# Allegro board NewTMR-March-2-2026.brd (continued)
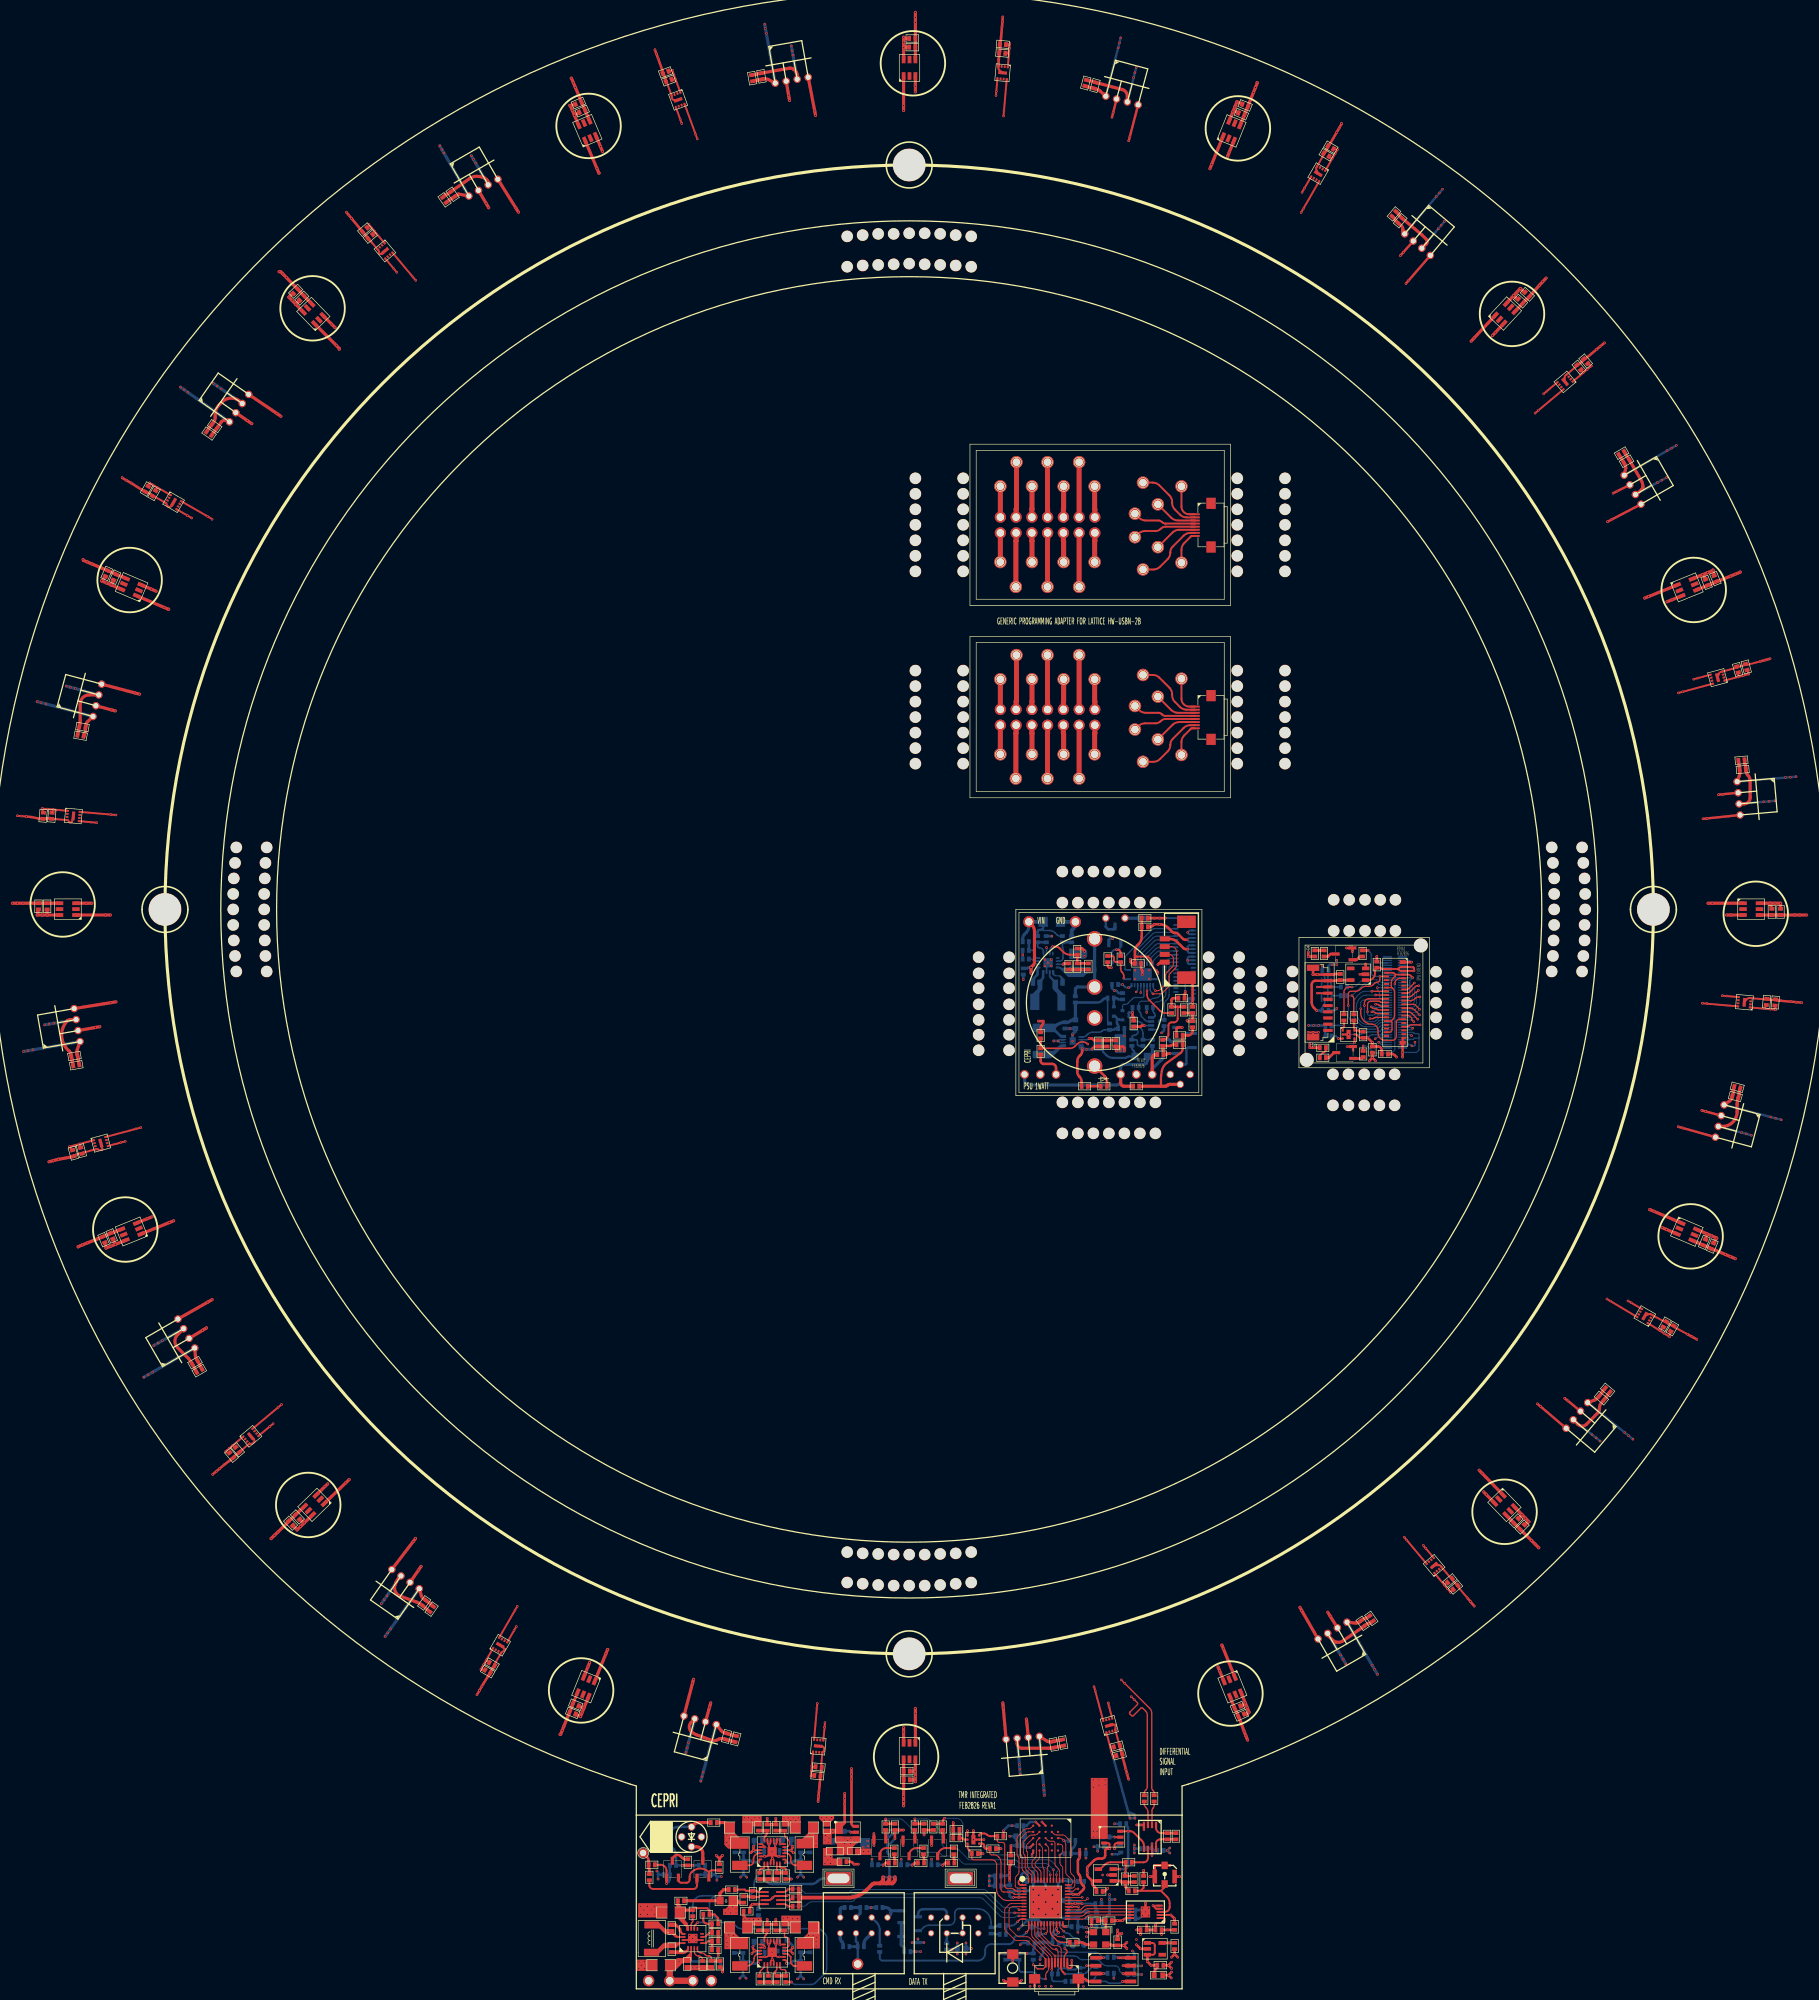
[diagram p0: board, top side]
## Routing (per net, layer and track width the routed paths; a pad name or vN(x,y) marks a point on that pad's centre or on a via; arc(x,y) is an arc through that point) (continued)
N3503239: length 5.2
  BOTTOM w0.25: U65.1 176.91,153.43 arc(177.06,153.4) 177.18,153.32 177.2,153.3 arc(177.3,153.05) 177.2,152.8 177.02,152.62 arc(176.89,152.53) 176.73,152.5 176.63,152.5 arc(176.52,152.48) 176.42,152.41 176.39,152.38 arc(176.32,152.28) 176.3,152.17 R95.1 176.88,151.8 arc(176.99,151.78) 177.08,151.72 177.12,151.68 arc(177.18,151.59) 177.2,151.48 177.2,151.12 arc(177.22,151.01) 177.28,150.92 177.32,150.88 arc(177.41,150.82) 177.52,150.8 C191.2
N3503246: length 4.7
  BOTTOM w0.25: R112.1 C191.1 178.1,152.78 arc(178,153.26) 177.73,153.67 177.55,153.85 arc(177.29,154.02) 176.99,154.08 U65.2
N3506922: length 15.9
  TOP w0.3: v1(180.5,162.5) 180.5,162.7 179.8,163.4 arc(179.58,163.73) 179.5,164.12 179.5,164.21 arc(179.43,164.57) 179.22,164.88 178.9,165.2 177,165.2 176.8,165.4
  TOP w0.4: R131.1 R130.1 177.9,168.44 arc(177.76,167.76) 177.38,167.18 177.2,167 arc(176.9,166.56) 176.8,166.04 C196.1 176.31,164.1 176.1,164.31 v1(176.1,164.8)
  BOTTOM w0.18: v1(176.1,164.8) 176.18,164.72 arc(176.23,164.64) 176.25,164.56 U66.2
  BOTTOM w0.3: U66.10 180.5,162.71 v1(180.5,162.5)
N3509536: length 19
  TOP w0.35: R119.1 184.5,150.37 arc(184.4,149.96) 184.13,149.64 181.95,148.06 arc(181.41,147.48) 181.13,146.73 181.02,146.04 arc(181.01,145.9) 181,145.76 181,144.3
  TOP w0.4: R119.1 R118.1 185.4,152.5 arc(185.89,152.71) 186.1,153.2 R117.1
  TOP w0.5: R116.2 181.73,144.3 arc(181.89,144.33) 182.02,144.42 182.08,144.48 arc(182.21,144.57) 182.37,144.6 LD2.1
N3509646: length 4.6
  BOTTOM w0.38: LD2.2 184.97,147.8 185.1,147.93 185.1,150.3 185.32,150.52 Q9.3
N3509654: length 4.7
  TOP w0.4: R121.2 R124.1 R117.2 185.26,154.8 v1(185.2,154.86)
  BOTTOM w0.38: Q8.1 185.34,154.72 v1(185.2,154.86)
N3509658: length 3
  TOP w0.4: R118.2 183.5,153.49 arc(183.52,153.59) 183.57,153.67 183.61,153.71 arc(183.69,153.77) 183.79,153.79 v1(184.42,153.79)
  BOTTOM w0.38: Q8.3 v1(184.42,153.79)
N3509670: length 5.8
  TOP w0.4: R119.2 182.92,151 arc(182.81,150.98) 182.72,150.92 182.68,150.88 arc(182.59,150.82) 182.48,150.8 R122.1 181.3,150.31 181.4,150.21 R125.1 181.91,149.4 182.08,149.58 v1(182.47,149.58)
  BOTTOM w0.3: Q9.1 v1(182.47,149.58)
N3509830: length 5.9
  BOTTOM w0.5: Q8.2 185.34,152.81 185.33,152.8 185.1,152.8 184.8,152.5 184.8,152.03 arc(184.64,151.65) 184.26,151.49 Q9.2 183.43,151.5 182.61,151.5 182.31,151.8 R126.1
N3510191: length 2.3
  BOTTOM w0.5: TP15.1 R127.1
N3510243: length 3.3
  BOTTOM w0.4: TP16.1 172.1,170 172.5,169.6 173.25,169.6 173.59,169.94 Q10.3
N3512300: length 11.2
  TOP w0.3: 183.7,157.1 183.7,155.2 arc(183.52,154.78) 183.1,154.6 182.7,154.6 arc(182.35,154.45) 182.2,154.1 182.2,152.7 arc(181.94,152.06) R122.2
  TOP w0.4: R121.1 R120.2 182.7,158.2 arc(182.79,158.41) 183,158.5 R123.2
N3515615: length 4.4
  TOP w0.3: R128.1 174.5,165.82 arc(174.47,165.99) 174.37,166.13 174.32,166.18 arc(174.19,166.27) 174.04,166.3 v1(173.81,166.3)
  BOTTOM w0.3: R129.1 173,165.59 arc(173.21,166.09) 173.71,166.3 v1(173.81,166.3) arc(174.32,166.51) 174.52,167.01 Q10.1
N3521974: length 4
  TOP w0.2: R1.2 178.3,28.63 arc(178.36,28.33) 178.53,28.07 178.61,27.99 arc(178.83,27.67) 178.9,27.29 U51.3
N3522018: length 3.9
  TOP w0.2: R2.2 179.9,28.33 arc(179.86,28.12) 179.74,27.94 179.71,27.91 arc(179.59,27.73) 179.55,27.52 179.55,25.22
N3522194: length 4.2
  TOP w0.3: R15.2 181.05,23.9 arc(180.45,24.15) 180.2,24.75 U51.1
  TOP w0.4: R16.2 R15.2
N3522206: length 4.5
  TOP w0.3: R15.1 180.87,22.9 arc(180.4,22.7) 180.2,22.23 U51.8
  TOP w0.4: R15.1 R16.1
N3524759: length 1.8
  TOP w0.3: U50.5 v1(173.55,23.25)
  BOTTOM w0.4: C130.1 173.5,23.3 v1(173.55,23.25)
N3527418: length 8.5
  TOP w0.3: C105.1 R31.2 175.2,17.58 175.3,17.68 R23.1 172.92,19.2 arc(172.35,19.09) 171.86,18.76 171.2,18.1 U55.4
N3527435: length 5.1
  TOP w0.127: 175.3,16 R31.1
  TOP w0.42: R31.1 174.61,16 174.41,16.2 U55.1 ; R34.1 175.8,14.7 175.3,15.2 175.3,16 C105.2
N3527532: length 4.5
  TOP w0.3: U51.6 178.9,19.9 arc(178.7,19.41) 178.2,19.2 R23.2
N3530743: length 12.3
  TOP w0.3: 181,14.6 177.7,14.6 ; 181,14.6 181.44,15.04 arc(181.56,15.22) 181.6,15.42 J1.1 ; 181,14.6 181.96,13.64 arc(182.29,13.15) 182.4,12.58 182.4,11.98 arc(182.18,11.43) 181.63,11.21 U58.3 ; 177.7,14.6 178.2,15.1 C106.2 ; 177.7,14.6 R34.2
N3546634: length 1.9
  TOP w0.4: U49.5 v1(130.97,24.05)
  BOTTOM w0.4: v1(130.97,24.05) 130.82,24.2 C128.1
N3564575: length 3.4
  BOTTOM w0.5: D4.3 132.5,10.98 L8.2 C162.2
N3565945: length 6.4
  BOTTOM w0.4: D4.6 131.82,6.47 132.1,6.19 R77.2 ; TP12.1 R77.2 ; R77.2 131.61,5.6 131.6,5.61 C178.2
N3566834: length 5
  BOTTOM w0.35: R80.1 135.65,8.29 arc(135.52,8.95) 135.14,9.52 D4.2
N3567309: length 1.4
  BOTTOM w0.4: C166.2 154.29,7.6 154.19,7.7 R70.1
N3567360: length 17.6
  BOTTOM w0.25: R70.2 153.6,9.51 arc(152.95,11.07) 151.38,11.72 148.47,11.72 arc(147.96,11.51) 147.75,11 147.75,9.98 arc(147.48,9.32) 146.82,9.05 143.59,9.05 arc(143.11,8.95) 142.71,8.68 142.31,8.29 arc(142.18,8.2) 142.03,8.17 Q6.1
  BOTTOM w0.4: R69.2 154.66,9 arc(154.5,8.97) 154.37,8.88 154.31,8.82 arc(154.18,8.73) 154.02,8.7 R70.2
N3576651: length 5
  TOP w0.3: R33.1 113.9,14.8 114.1,14.6 C108.2 115.79,14.6 115.99,14.4 U56.1
N3576675: length 3.5
  TOP w0.3: R36.1 114.51,13.7 114.61,13.6 C108.1 116.11,13.6 116.26,13.75 U56.2
N3652906: length 2.3
  TOP w0.3: C194.2 172.4,163.61 172.61,163.4 v1(173,163.4)
  BOTTOM w0.3: R129.2 v1(173,163.4)
N3673990: length 4.9
  TOP w0.8: J7.1 TP17.1
N3674102: length 4.9
  TOP w0.8: TP23.1 170.3,206.36 170.34,206.32 J7.13
N3674106: length 8.8
  TOP w0.8: J7.11 TP22.1
N3674110: length 4.9
  TOP w0.8: TP21.1 165.3,206.36 165.26,206.32 J7.9
N3674114: length 8.8
  TOP w0.8: TP20.1 162.7,206.34 162.72,206.32 J7.7
N3674118: length 4.9
  TOP w0.8: TP19.1 160.2,206.34 160.18,206.32 J7.5
N3674122: length 8.8
  TOP w0.8: TP18.1 157.7,206.38 157.64,206.32 J7.3
N3674280: length 4.7
  TOP w0.8: J7.2 TP30.1
N3674284: length 8.6
  TOP w0.8: J7.4 157.64,201.22 157.6,201.18 TP29.1
N3674288: length 4.7
  TOP w0.8: J7.6 160.18,201.22 160.2,201.2 TP28.1
N3674292: length 8.6
  TOP w0.8: J7.8 162.72,201.22 162.7,201.2 TP27.1
N3674296: length 4.7
  TOP w0.8: J7.10 165.26,201.22 165.3,201.18 TP26.1
N3674300: length 8.6
  TOP w0.8: J7.12 TP25.1
N3674304: length 4.7
  TOP w0.8: TP24.1 170.3,201.18 170.34,201.22 J7.14
N3674354: length 6.2
  TOP w0.3: J8.1 185.56,205.5 arc(184.67,205.87) 184.3,206.76 TP31.1
N3674484: length 11.3
  TOP w0.3: J8.2 185.12,205 arc(184.55,205.11) 184.06,205.44 183.24,206.26 arc(182.91,206.75) 182.8,207.32 182.8,207.48 arc(182.69,208.05) 182.36,208.54 180.74,210.16 arc(180.25,210.49) 179.68,210.6 TP32.1
N3674488: length 7
  TOP w0.3: TP33.1 182.66,204.94 arc(183.15,204.61) 183.72,204.5 J8.3
N3674492: length 10.2
  TOP w0.3: TP34.1 177.46,204.94 arc(177.95,204.61) 178.52,204.5 180.58,204.5 arc(180.88,204.44) 181.13,204.27 181.17,204.23 arc(181.42,204.06) 181.72,204 J8.4
N3674496: length 10.2
  TOP w0.3: J8.5 181.77,203.5 arc(181.34,203.41) 180.97,203.17 180.93,203.13 arc(180.56,202.89) 180.13,202.8 178.42,202.8 arc(177.85,202.69) 177.36,202.36 TP35.1
N3674500: length 7.1
  TOP w0.3: TP36.1 182.86,202.56 arc(183.35,202.89) 183.92,203 J8.6
N3674504: length 11.3
  TOP w0.3: TP37.1 179.79,196.6 arc(180.35,196.71) 180.83,197.03 182.1,198.3 arc(182.4,198.74) 182.5,199.27 182.5,199.33 arc(182.6,199.86) 182.9,200.3 184.66,202.06 arc(185.15,202.39) 185.72,202.5 J8.7
N3674508: length 5.5
  TOP w0.3: J8.8 186.17,202 arc(185.92,201.95) 185.71,201.81 184.74,200.84 arc(184.41,200.35) 184.3,199.78 TP38.1
N3674998: length 5
  TOP w0.38: TP39.1 155.1,240.9
  TOP w0.8: 155.1,240.9 J9.1
N3675002: length 4.7
  TOP w0.8: J9.2 TP40.1
N3675030: length 6.2
  TOP w0.3: TP41.1 184.3,237.76 arc(184.67,236.87) 185.56,236.5 J10.1
N3675046: length 8.9
  TOP w0.38: TP42.1 157.7,244.8
  TOP w0.8: J9.3 157.64,237.32 157.7,237.38 157.7,244.8
N3675050: length 8.7
  TOP w0.38: TP43.1 157.6,224.9
  TOP w0.8: J9.4 157.64,232.22 157.6,232.18 157.6,224.9
N3675078: length 11.3
  TOP w0.3: J10.2 185.12,236 arc(184.55,236.11) 184.06,236.44 183.24,237.26 arc(182.91,237.75) 182.8,238.32 182.8,238.48 arc(182.69,239.05) 182.36,239.54 180.74,241.16 arc(180.25,241.49) 179.68,241.6 TP44.1
N3675094: length 5
  TOP w0.38: TP45.1 160.2,240.9
  TOP w0.8: J9.5 160.18,237.32 160.2,237.34 160.2,240.9
N3675098: length 4.7
  TOP w0.8: J9.6 160.18,232.22 160.2,232.2 TP46.1
N3675126: length 7
  TOP w0.3: J10.3 183.72,235.5 arc(183.15,235.61) 182.66,235.94 TP47.1
N3675142: length 8.9
  TOP w0.38: TP48.1 162.7,244.8
  TOP w0.8: 162.7,244.8 162.7,237.34 162.72,237.32 J9.7
N3675146: length 8.7
  TOP w0.38: TP49.1 162.7,224.9
  TOP w0.8: 162.7,224.9 162.7,232.2 162.72,232.22 J9.8
N3675174: length 10.2
  TOP w0.3: J10.4 181.72,235 arc(181.42,235.06) 181.17,235.23 181.13,235.27 arc(180.88,235.44) 180.58,235.5 178.52,235.5 arc(177.95,235.61) 177.46,235.94 TP50.1
N3675190: length 5
  TOP w0.38: TP51.1 165.3,240.9
  TOP w0.8: J9.9 165.26,237.32 165.3,237.36 165.3,240.9
N3675194: length 4.7
  TOP w0.8: TP52.1 165.3,232.18 165.26,232.22 J9.10
N3675222: length 10.2
  TOP w0.3: TP53.1 177.36,233.36 arc(177.85,233.69) 178.42,233.8 180.13,233.8 arc(180.56,233.89) 180.93,234.13 180.97,234.17 arc(181.34,234.41) 181.77,234.5 J10.5
N3675238: length 8.9
  TOP w0.8: J9.11 TP54.1
N3675242: length 8.7
  TOP w0.38: TP55.1 167.8,224.9
  TOP w0.8: 167.8,224.9 J9.12
N3675270: length 7.1
  TOP w0.3: J10.6 183.92,234 arc(183.35,233.89) 182.86,233.56 TP56.1
N3675274: length 5
  TOP w0.8: TP57.1 170.3,237.3 170.34,237.26 J9.13
N3675278: length 4.7
  TOP w0.8: TP58.1 170.3,232.18 170.34,232.22 J9.14
N3675294: length 11.3
  TOP w0.3: J10.7 185.72,233.5 arc(185.15,233.39) 184.66,233.06 182.9,231.3 arc(182.6,230.86) 182.5,230.33 182.5,230.27 arc(182.4,229.74) 182.1,229.3 180.83,228.03 arc(180.35,227.71) 179.79,227.6 TP59.1
N3675298: length 5.5
  TOP w0.3: J10.8 186.17,233 arc(185.92,232.95) 185.71,232.81 184.74,231.84 arc(184.41,231.35) 184.3,230.78 TP60.1
N3710404: length 14
  TOP w0.4: v1(206.1,156.5) 205.67,156.93 arc(205.4,157.34) 205.3,157.83 205.3,160.7 arc(205.48,161.12) 205.9,161.3 J13.9 209.21,161.3 209.31,161.4 C199.1 U68.5
  BOTTOM w0.25: U69.7 207.4,157.86 arc(207.35,157.62) 207.22,157.42 207.18,157.38 arc(207.05,157.18) 207,156.94 C202.1
  BOTTOM w0.4: C202.1 v1(206.1,156.5)
N3715489: length 3.3
  TOP w0.3: J13.7 v1(206.2,159.3)
  BOTTOM w0.25: U69.8 206.9,159 arc(206.81,159.21) 206.6,159.3 v1(206.2,159.3)
N3715512: length 3.4
  TOP w0.3: J13.8 v1(206.2,160.3)
  BOTTOM w0.25: U69.1 206.9,160.6 arc(206.81,160.39) 206.6,160.3 v1(206.2,160.3)
N3718029: length 2.1
  BOTTOM w0.25: R139.1 208.73,158.9 arc(208.5,158.8) 208.4,158.58 U69.5
N3718139: length 2.5
  BOTTOM w0.25: U69.4 208.4,160.8 arc(208.55,160.45) 208.9,160.3 R140.2
N16499101: length 1.4
  TOP w0.4: D1.1 138.1,19.69 138,19.79 R18.2
N16499261: length 1.4
  TOP w0.4: R19.2 142.7,20.01 142.8,19.91 D2.1
N16499421: length 1.4
  TOP w0.4: D3.1 147.7,19.69 147.6,19.79 R20.2
N16501820: length 3.2
  TOP w0.3: Q1.3 135.69,20.46 arc(135.99,21.19) 136.73,21.5 R18.1
N16501980: length 3.1
  TOP w0.3: R19.1 141.6,21.5 arc(140.74,21.14) 140.39,20.28 Q2.3
N16502140: length 3.4
  TOP w0.3: R20.1 146.33,21.5 arc(145.38,21.11) Q3.3

## Copper pours and planes (outline as drawn; the poured copper is in the pictures)
GND on TOP (solid shape): 99.8,1.7 96.5,1.7 96.5,3.5 99.8,3.5
GND on TOP (solid shape): 101.4,10.3 96.7,10.3 96.7,12.6 101.4,12.6
GND on TOP (solid shape): 108.9,1.8 104.2,1.8 104.2,2.6 108.9,2.6
GND on TOP (solid shape): 116.6,25 115.2,25 115.2,23.9 113.5,23.9 113.5,26.7 116.6,26.7
GND on TOP (solid shape): 116.6,9 115.2,9 115.2,7.8 113.5,7.8 113.5,10.3 116.6,10.3
GND on TOP (solid shape): 122.9,23.9 121.2,23.9 121.2,25 119.9,25 119.9,26.7 122.9,26.7
GND on TOP (solid shape): 122.9,7.8 121.2,7.8 121.2,8.9 119.8,8.9 119.8,10.6 122.9,10.6
GND on TOP (solid shape): 128.3,26.2 127.7,25.6 127.7,25 126.5,25 126.5,25.6 125.9,26.2 125.9,26.7 128.3,26.7
GND on GND: 134.5,26.7 168,26.7 168,23.3 168.02,23.19 168.09,23.09 169.3,21.88 169.3,19.32 169.09,19.11 169.02,19.01 169,18.9 169,14 169.02,13.89 169.09,13.79 169.49,13.39 169.59,13.32 169.7,13.3 180.28,13.3 180.5,13.08 180.5,9.52 180.48,9.5 176.8,9.5 176.69,9.48 176.59,9.41 175.79,8.61 175.72,8.51 175.7,8.4 175.7,6.1 175.72,5.99 175.79,5.89 177.3,4.38 177.3,-1.1 106.33,-1.1 106.79,-0.58 106.96,0.1 105.5,1.56 104.04,0.1 104.21,-0.58 104.67,-1.1 102.58,-1.1 103.06,-0.58 103.23,0.1 101.8,1.53 100.37,0.1 100.54,-0.58 101.02,-1.1 96.5,-1.1 96.5,26.7 128.6,26.7 128.6,25.92 127.88,25.2 126.4,25.2 126.29,25.18 126.19,25.11 125.89,24.81 125.82,24.71 125.8,24.6 125.8,22.2 125.82,22.09 125.89,21.99 126.29,21.59 126.39,21.52 126.5,21.5 129.78,21.5 129.9,21.38 129.9,20.5 129.92,20.39 129.99,20.29 130.39,19.89 130.49,19.82 130.6,19.8 134.4,19.8 134.51,19.82 134.61,19.89 134.91,20.19 134.98,20.29 135,20.4 135,21.4 134.98,21.51 134.91,21.61 134.5,22.02
GND_FIELD SIGNAL on GND: 158.1,172.3 158.1,143.3 187.1,143.3 187.1,172.3
GND_SIGNAL on TOP (solid shape): 134.27,20.41 131.7,20.41 131.7,21.4 134.27,21.4
GND_SIGNAL on TOP (solid shape): 172.4,23 169.7,23 169.7,32.8 172.4,32.8
GND_SIGNAL on TOP (solid shape): 129.7,23.8 127.9,23.8 127.9,22.1 126.5,22.1 126.5,24.6 128.5,24.6 128.5,25.7 129.7,25.7
GND_SIGNAL on BOTTOM (solid shape): 128.5,22.05 126.47,22.05 126.47,23.1 128.5,23.1
GND_SIGNAL on BOTTOM (solid shape): 134.1,20.41 132.5,20.41 132.5,23.1 134.1,23.1
GND_SIGNAL on VCC (solid shape): outline of 1690 points within -4.6,27.8 285.4,317.8
GND_SIGNAL on GND: 129.2,26.7 133.9,26.7 133.9,21.9 133.92,21.79 133.99,21.69 134.4,21.28 134.4,20.52 134.28,20.4 130.72,20.4 130.5,20.62 130.5,21.5 130.48,21.61 130.41,21.71 130.11,22.01 130.01,22.08 129.9,22.1 126.62,22.1 126.4,22.32 126.4,24.48 126.52,24.6 128,24.6 128.11,24.62 128.21,24.69 129.11,25.59 129.18,25.69 129.2,25.8
GND_SIGNAL on GND: 168.6,26.7 184.3,26.7 184.3,-1.1 177.9,-1.1 177.9,4.5 177.88,4.61 177.81,4.71 176.3,6.22 176.3,8.28 176.92,8.9 180.6,8.9 180.71,8.92 180.81,8.99 181.01,9.19 181.08,9.29 181.1,9.4 181.1,13.2 181.08,13.31 181.01,13.41 180.61,13.81 180.51,13.88 180.4,13.9 169.82,13.9 169.6,14.12 169.6,18.78 169.81,18.99 169.88,19.09 169.9,19.2 169.9,22 169.88,22.11 169.81,22.21 168.6,23.42 ; 1 cut-out
P1V2 on TOP (solid shape): 126,5.3 122.3,5.3 122.3,7 123.3,7 124.1,7.8 124.1,9.6 126,9.6
P1V2 on VCC: 156.32,20.5 165.68,20.5 165.9,20.27 165.93,20.17 165.99,20.09 167.09,18.99 167.19,18.92 167.3,18.9 170.78,18.9 171.7,17.98 171.7,15.9 171.72,15.79 171.79,15.69 172.19,15.29 172.29,15.22 172.4,15.2 173.38,15.2 174.2,14.38 174.2,13 169.42,13 169.3,13.12 169.3,14.5 169.28,14.61 169.21,14.71 166.41,17.51 166.31,17.58 166.2,17.6 157.9,17.6 157.79,17.58 157.69,17.51 157.09,16.91 157.02,16.81 157,16.7 157,15.7 157.02,15.59 157.09,15.49 157.39,15.19 157.49,15.12 157.6,15.1 159.78,15.1 160.2,14.68 160.2,12.2 160.22,12.09 160.29,11.99 162.8,9.48 162.8,-1.1 123.6,-1.1 123.6,8.7 123.58,8.81 123.51,8.91 122.7,9.72 122.7,9.88 123.12,10.3 125.48,10.3 125.59,10.19 125.69,10.12 125.8,10.1 126.98,10.1 127.5,9.58 127.5,5 127.52,4.89 127.59,4.79 128.39,3.99 128.49,3.92 128.6,3.9 137.28,3.9 139.69,1.49 139.79,1.42 139.9,1.4 145.8,1.4 146.01,1.49 146.1,1.7 146.1,3.78 146.12,3.8 152.3,3.8 152.41,3.82 152.51,3.89 153.01,4.39 153.08,4.49 153.1,4.6 153.1,7.3 158.5,7.3 158.61,7.32 158.71,7.39 159.41,8.09 159.48,8.19 159.5,8.3 159.5,9.3 159.48,9.41 159.41,9.51 159.11,9.81 159.01,9.88 158.9,9.9 157.12,9.9 154.9,12.12 154.9,19.2 154.88,19.31 154.81,19.41 154.42,19.8 155.5,19.8 155.61,19.82 155.71,19.89 ; 1 cut-out
P1V8 on TOP (solid shape): 112.3,7.8 113,7.1 114.4,7.1 114.4,5.2 110.6,5.2 110.6,9.6 112.3,9.6
P1V8 on VCC: 121.02,14.6 122.88,14.6 123,14.48 123,12.82 122.79,12.61 122.72,12.51 122.7,12.4 122.7,10.72 122.28,10.3 119.92,10.3 119.31,10.91 119.21,10.98 119.1,11 115.9,11 115.79,10.98 115.69,10.91 114.09,9.31 114.02,9.21 114,9.1 114,7.92 112.59,6.51 112.52,6.41 112.5,6.3 112.5,5.82 111.88,5.2 110.82,5.2 110.1,5.92 110.1,7.48 113.51,10.89 113.58,10.99 113.6,11.1 113.6,11.88 115.32,13.6 119.9,13.6 120.01,13.62 120.11,13.69
P1V8 on VCC: 155.72,24.8 156.88,24.8 158.39,23.29 158.49,23.22 158.6,23.2 167.48,23.2 168.5,22.18 168.5,19.52 168.48,19.5 167.42,19.5 166.5,20.43 166.47,20.53 166.41,20.61 166.01,21.01 165.91,21.08 165.8,21.1 156.2,21.1 156.09,21.08 155.99,21.01 155.38,20.4 151.42,20.4 151.11,20.71 151.01,20.78 150.9,20.8 147.22,20.8 145.11,22.91 145.01,22.98 144.9,23 142.9,23 142.79,22.98 142.69,22.91 142.18,22.4 137.92,22.4 137.3,23.02 137.3,24.58 137.32,24.6 140.38,24.6 140.79,24.19 140.89,24.12 141,24.1 154.9,24.1 155.01,24.12 155.11,24.19
P1V8 on VCC: 158.02,17 166.08,17 168.7,14.38 168.7,13 168.72,12.89 168.79,12.79 169.09,12.49 169.19,12.42 169.3,12.4 176.58,12.4 176.8,12.18 176.8,10.52 175.39,9.11 175.32,9.01 175.3,8.9 175.3,7.3 175.32,7.19 175.39,7.09 176.2,6.28 176.2,4.7 176.22,4.59 176.29,4.49 178.2,2.58 178.2,-1.1 163.4,-1.1 163.4,9.6 163.38,9.71 163.31,9.81 160.8,12.32 160.8,14.8 160.78,14.91 160.71,15.01 160.11,15.61 160.01,15.68 159.9,15.7 157.72,15.7 157.6,15.82 157.6,16.58
P1V8_CAM on VCC: 179.1,170.6 181.5,170.6 182.2,169.9 183.9,169.9 183.9,168.4 186.6,168.4 186.6,158.1 185.1,158.1 182.3,155.3 182.3,152.4 176.6,152.4 175.5,153.5 175.5,157.3 175.9,157.7 179.3,157.7 181.1,159.5 181.1,164.5 180.2,164.5 179.2,163.5 176.3,163.5 176.3,162.8 175,162.8 175,165.4 179.1,169.5
P2V8 on TOP (solid shape): 125.7,21.5 122.3,21.5 122.3,23 123.2,23 124.1,23.9 124.1,25.7 125.7,25.7
P2V8 on VCC: 122.6,26.7 128.5,26.7 128.5,22.6 128.52,22.49 128.59,22.39 129.59,21.39 129.69,21.32 129.8,21.3 134.3,21.3 134.41,21.32 134.51,21.39 134.92,21.8 142.3,21.8 142.41,21.82 142.51,21.89 143.02,22.4 144.78,22.4 146.89,20.29 146.99,20.22 147.1,20.2 150.78,20.2 151.09,19.89 151.19,19.82 151.3,19.8 153.58,19.8 154.3,19.08 154.3,12 154.32,11.89 154.39,11.79 156.79,9.39 156.89,9.32 157,9.3 158.78,9.3 158.9,9.18 158.9,8.42 158.38,7.9 153.1,7.9 153.1,9.4 153.08,9.51 153.01,9.61 152.71,9.91 152.61,9.98 152.5,10 151.52,10 151.5,10.02 151.5,14.4 151.48,14.51 151.41,14.61 151.11,14.91 151.01,14.98 150.9,15 146.1,15 146.1,18.25 146.25,18.4 146.25,18.95 145.55,19.65 136.25,19.65 134.7,18.1 131.9,18.1 131.69,18.01 131.6,17.8 131.6,15 126.52,15 126.4,15.12 126.4,17.98 126.62,18.2 128.2,18.2 128.31,18.22 128.41,18.29 128.61,18.49 128.68,18.59 128.7,18.7 128.7,20.3 128.68,20.41 128.61,20.51 128.21,20.91 128.11,20.98 128,21 125.62,21 122.6,24.02
P3V3 on TOP (solid shape): 128.05,19.8 129.6,19.8 129.6,18.7 126.5,18.7 126.5,21.5 128.05,21.5
P3V3 on TOP (solid shape): 112.3,23.9 113,23.2 114.5,23.2 114.5,21.4 111.2,21.4 110.6,22 110.6,25.7 112.3,25.7
P3V3 on VCC: 110.22,24.1 112.58,24.1 112.99,23.69 113.09,23.62 113.2,23.6 122.18,23.6 125.29,20.49 125.39,20.42 125.5,20.4 127.88,20.4 128.1,20.18 128.1,18.82 128.08,18.8 126.5,18.8 126.39,18.78 126.29,18.71 125.89,18.31 125.82,18.21 125.8,18.1 125.8,15 125.82,14.89 125.89,14.79 126.19,14.49 126.29,14.42 126.4,14.4 131.8,14.4 131.91,14.42 132.01,14.49 132.11,14.59 132.18,14.69 132.2,14.8 132.2,17.5 135.5,17.5 135.61,17.52 135.71,17.59 137.02,18.9 145.08,18.9 145.5,18.48 145.5,14.8 145.52,14.69 145.59,14.59 145.69,14.49 145.79,14.42 145.9,14.4 150.78,14.4 150.9,14.28 150.9,9.9 150.92,9.79 150.99,9.69 151.19,9.49 151.29,9.42 151.4,9.4 152.38,9.4 152.5,9.28 152.5,4.72 152.18,4.4 146,4.4 145.89,4.38 145.79,4.31 145.59,4.11 145.52,4.01 145.5,3.9 145.5,2 140.02,2 137.61,4.41 137.51,4.48 137.4,4.5 128.72,4.5 128.1,5.12 128.1,9.7 128.08,9.81 128.01,9.91 127.31,10.61 127.21,10.68 127.1,10.7 125.92,10.7 124.4,12.22 124.4,15.6 124.38,15.71 124.31,15.81 123.8,16.32 123.8,20.7 123.78,20.81 123.71,20.91 121.81,22.81 121.71,22.88 121.6,22.9 115,22.9 114.89,22.88 114.79,22.81 113.38,21.4 110.42,21.4 110,21.82 110,23.88
P3V3_CAM on VCC: 186.6,169.8 186.6,172.1 171.2,172.1 171.2,170.5 172.6,169.1 172.6,159.5 172,158.9 172,156.6 172.7,156.6 172.7,153.4 174.9,153.4 174.9,157.7 175.6,158.4 179.1,158.4 180.4,159.7 180.4,161.2 176.4,161.2 176.4,162.1 174.35,162.1 174.35,165.65 178.4,169.7 178.4,170.7 178.8,171.1 182.1,171.1 182.6,170.6 184.1,170.6 184.9,169.8
P3V3A on TOP (solid shape): 132.5,22.4 132.05,22.4 131.3,21.65 131.3,20.4 128.75,20.4 128.75,22.05 128.4,22.4 128.4,23.35 132.5,23.35
P3V3A on BOTTOM (solid shape): 132.1,22.09 131.27,22.09 131,21.82 129.97,21.82 129.7,22.09 128.9,22.09 128.9,23.35 132.1,23.35
P3V3A on VCC: 129.1,26.7 184.3,26.7 184.3,-1.1 178.8,-1.1 178.8,2.7 178.78,2.81 178.71,2.91 176.8,4.82 176.8,6.4 176.78,6.51 176.71,6.61 175.9,7.42 175.9,8.78 177.31,10.19 177.38,10.29 177.4,10.4 177.4,12.3 177.38,12.41 177.31,12.51 176.91,12.91 176.81,12.98 176.7,13 174.8,13 174.8,14.5 174.78,14.61 174.71,14.71 173.71,15.71 173.61,15.78 173.5,15.8 172.52,15.8 172.3,16.02 172.3,18.1 172.28,18.21 172.21,18.31 171.11,19.41 171.01,19.48 170.9,19.5 169.1,19.5 169.1,22.3 169.08,22.41 169.01,22.51 167.81,23.71 167.71,23.78 167.6,23.8 158.72,23.8 157.5,25.02 157.5,25.35 157.3,25.55 156.2,25.55 156.05,25.4 155.6,25.4 155.49,25.38 155.39,25.31 154.78,24.7 141.12,24.7 140.71,25.11 140.61,25.18 140.5,25.2 137.2,25.2 137.09,25.18 136.99,25.11 136.79,24.91 136.72,24.81 136.7,24.7 136.7,22.9 136.72,22.79 136.79,22.69 137.08,22.4 134.8,22.4 134.69,22.38 134.59,22.31 134.18,21.9 129.92,21.9 129.1,22.72 ; 1 cut-out
P5V0 on TOP (solid shape): 112.8,10.7 110.4,10.7 110.4,11.7 110.8,11.7 111.3,12.2 111.3,13.8 112.8,13.8
P5V0 on VCC: 96.5,26.7 122,26.7 122,24.2 113.32,24.2 112.91,24.61 112.81,24.68 112.7,24.7 110.1,24.7 109.99,24.68 109.89,24.61 109.49,24.21 109.42,24.11 109.4,24 109.4,21.7 109.42,21.59 109.49,21.49 110.09,20.89 110.19,20.82 110.3,20.8 113.5,20.8 113.61,20.82 113.71,20.89 115.12,22.3 121.48,22.3 123.2,20.58 123.2,16.2 123.22,16.09 123.29,15.99 123.8,15.48 123.8,12.1 123.82,11.99 123.89,11.89 124.88,10.9 123.3,10.9 123.3,12.28 123.51,12.49 123.58,12.59 123.6,12.7 123.6,14.6 123.58,14.71 123.51,14.81 123.21,15.11 123.11,15.18 123,15.2 120.9,15.2 120.79,15.18 120.69,15.11 119.78,14.2 115.2,14.2 115.09,14.18 114.99,14.11 113.09,12.21 113.02,12.11 113,12 113,11.22 109.59,7.81 109.52,7.71 109.5,7.6 109.5,5.8 109.52,5.69 109.59,5.59 110.49,4.69 110.59,4.62 110.7,4.6 112,4.6 112.11,4.62 112.21,4.69 113.01,5.49 113.08,5.59 113.1,5.7 113.1,6.18 114.51,7.59 114.58,7.69 114.6,7.8 114.6,8.98 116.02,10.4 118.98,10.4 119.59,9.79 119.69,9.72 119.8,9.7 122.1,9.7 122.1,9.6 122.12,9.49 122.19,9.39 123,8.58 123,-1.1 106.21,-1.1 106.71,-0.59 106.89,0.1 105.5,1.49 104.11,0.1 104.29,-0.59 104.79,-1.1 102.34,-1.1 102.9,-0.61 103.12,0.1 101.8,1.42 100.48,0.1 100.7,-0.61 101.26,-1.1 96.5,-1.1 ; 1 cut-out
P5V0_PSU on BOTTOM (solid shape): 171.8,150.3 171.71,150.09 171.5,150 168.34,150 168.11,150.05 167.91,150.18 167.88,150.21 167.75,150.41 167.7,150.64 167.7,151.03 168.5,151.03 168.5,150.77 168.59,150.68 168.79,150.55 169.02,150.5 169.58,150.5 169.76,150.54 169.92,150.64 169.96,150.68 170.06,150.84 170.1,151.02 170.1,152.1 171.8,152.1
P5V0_PSU on VCC: 186.6,157.6 185.8,157.6 183,154.8 183,151.7 176,151.7 175,152.7 167.8,152.7 167.8,155.4 158.5,155.4 158.5,143.8 186.7,143.8 186.7,157.5
VIN on TOP (solid shape): 105.38,3.47 105.25,3.15 104.93,3.02 104.22,3.02 103.94,2.96 103.71,2.81 102.91,2.01 102.68,1.86 102.4,1.8 101.04,1.8 101.04,3.49 102.55,3.49 102.69,3.52 102.81,3.6 102.85,3.64 102.97,3.72 103.11,3.75 103.9,3.75 104.18,3.81 104.41,3.96 104.91,4.46 105.06,4.69 105.12,4.97 105.12,5.67 105.38,5.67
0 on GND: 204.25,167.05 204.25,148.05 223.25,148.05 223.25,167.05
IR_1V8 on VCC: 204.35,164.15 204.35,151.6 212.5,151.6 213.05,151.05 215.5,151.05 215.5,151.55 214.9,151.55 214.6,151.85 214.6,152.25 214.95,152.6 216.25,152.6 216.7,152.15 221.65,152.15 221.65,152.7 220.7,152.7 220.1,153.3 220.1,162.7 214.95,162.7 214.95,160.5 209.55,160.5 209.55,163.3 209.85,163.6 209.85,164.8 209.65,165 208.6,165 207.75,164.15
IR_5V0 on VCC: 204.35,151.35 205.5,151.35 205.7,151.15 211.75,151.15 212.35,150.55 215.5,150.55 215.9,150.95 215.9,151.65 215.8,151.75 215.25,151.75 215.25,152.2 215.95,152.2 216.3,151.85 221.95,151.85 222.15,152.05 222.15,152.95 222.05,153.05 221.1,153.05 220.5,153.65 220.5,163.25 214.45,163.25 214.45,161.05 210.45,161.05 210.45,163.15 210.75,163.45 210.75,165.1 210.3,165.55 208.5,165.55 207.55,164.6 204.35,164.6 204.35,166.95 223.1,166.95 223.1,148.15 204.35,148.15
REF2V5 on VCC (solid shape): outline of 1666 points within -0.6,31.8 281.4,313.8
VCAP_PSU on VCC: 171.8,159.8 171.8,168.4 170.1,170.1 170.1,172 158.5,172 158.5,156.1 167.5,156.1 168.6,157.2 170.9,157.2 170.9,158.9
X1 on GND (solid shape): outline of 1620 points within 7.4,39.8 273.4,305.8
X2 on GND (solid shape): outline of 1602 points within 10.4,42.8 270.4,302.8
N3119450 on TOP (solid shape): 100.08,9.48 101.01,8.55 101.17,8.45 101.35,8.41 102.51,8.41 102.51,7.88 102.96,7.43 103.12,7.33 103.3,7.29 104.3,7.29 104.3,7.04 102.89,7.04 102.71,7.08 102.55,7.18 102.28,7.45 102.12,7.55 101.94,7.59 101.29,7.59 101.11,7.63 100.95,7.73 100.28,8.4 100.12,8.5 99.94,8.54 97.7,8.54 97.7,9.63 100.08,9.63
N3119456 on TOP (solid shape): 104.3,6.04 103.65,6.04 103.47,6 103.31,5.9 102.95,5.54 102.79,5.44 102.61,5.4 101.18,5.4 101,5.36 100.84,5.26 100.07,4.49 100.07,4.16 97.63,4.16 97.63,5.25 99.84,5.25 100.67,6.08 100.83,6.18 101.01,6.22 102.72,6.22 102.79,6.29 104.3,6.29
N3119520 on TOP (solid shape): 104.88,5.16 104.84,4.98 104.74,4.82 104.67,4.75 104.28,4.49 103.82,4.4 101.7,4.4 101.7,5 104.17,5 104.35,5.04 104.51,5.14 104.62,5.25 104.62,5.67 104.88,5.67
N3119553 on TOP (solid shape): 102.5,9.49 102.68,9.45 102.84,9.35 103.56,8.63 103.66,8.47 103.7,8.29 103.7,8.24 103.74,8.06 103.84,7.9 103.94,7.8 104.3,7.8 104.3,7.54 103.7,7.54 103.33,7.91 103.25,8.03 103.22,8.17 103.22,8.24 103.19,8.38 103.11,8.5 102.95,8.66 102.79,8.76 102.61,8.8 101.56,8.8 101.56,9.49
N3123371 on TOP (solid shape): 104.2,10.2 104.26,9.92 104.41,9.69 104.63,9.47 104.68,9.39 104.7,9.3 104.7,9.2 104.72,9.11 104.77,9.03 104.81,8.99 104.86,8.91 104.88,8.82 104.88,8.16 104.59,8.16 104.48,8.2 104.44,8.31 104.44,8.76 103.12,10.08 103.04,10.13 102.95,10.15 102.6,10.15 102.6,12 104.2,12
N3495214 on BOTTOM (solid shape): 163.18,162.29 163.22,162.11 163.32,161.95 163.73,161.54 163.77,161.51 163.82,161.5 164.35,161.5 164.39,161.49 164.4,161.45 164.4,160.2 164.44,160.02 164.54,159.86 165.16,159.24 165.32,159.14 165.5,159.1 165.55,159.1 165.59,159.09 165.6,159.05 165.6,156.55 165.59,156.51 165.55,156.5 164.35,156.5 164.31,156.51 164.3,156.55 164.3,159 164.26,159.18 164.16,159.34 163.64,159.86 163.54,160.02 163.5,160.2 163.5,161.1 163.46,161.28 163.36,161.44 163.06,161.74 162.96,161.9 162.92,162.08 162.92,163 163.18,163
N3495436 on BOTTOM (solid shape): 164.71,163.58 164.76,163.57 164.8,163.54 164.88,163.46 164.92,163.43 164.97,163.42 166.02,163.42 166.07,163.43 166.11,163.46 166.16,163.51 166.2,163.54 166.25,163.55 169.55,163.55 169.59,163.54 169.6,163.5 169.6,162.62 169.59,162.58 169.55,162.57 169.37,162.57 169.19,162.53 169.03,162.43 168.65,162.05 168.49,161.95 168.31,161.91 166.01,161.91 164.69,163.23 164.65,163.26 164.6,163.27 164.05,163.27 164.05,163.58
N3499160 on BOTTOM (solid shape): 164,153.7 164.04,153.52 164.14,153.36 164.76,152.74 164.92,152.64 165.1,152.6 165.7,152.6 165.7,152.12 164.78,152.12 164.04,152.86 163.88,152.96 163.7,153 160.5,153 160.36,153.06 160.3,153.2 160.3,154.2 160.36,154.34 160.5,154.4 164,154.4
GND_FIELD SIGNAL on BOTTOM (solid shape): 168.5,166.5 168.92,166.32 169.1,165.9 169.1,165.4 168.92,164.98 168.5,164.8 166.25,164.8 166.21,164.81 166.2,164.85 166.2,166.45 166.21,166.49 166.25,166.5
GND_FIELD SIGNAL on BOTTOM (solid shape): 175.1,152.7 175.31,152.61 175.4,152.4 175.4,150 175.31,149.79 175.1,149.7 173.8,149.7 173.59,149.79 173.5,150 173.5,152.4 173.59,152.61 173.8,152.7
N3495194 on BOTTOM (solid shape): 161.55,163.3 161.5,163.3 161.36,163.24 161.3,163.1 161.3,162.4 161.26,162.22 161.16,162.06 160.84,161.74 160.74,161.58 160.7,161.4 160.7,160.55 160.69,160.51 160.65,160.5 160.05,160.5 160.01,160.51 160,160.55 160,161.45 160.01,161.5 160.04,161.54 160.76,162.26 160.86,162.42 160.9,162.6 160.9,163.58 161.55,163.58
N3495202 on BOTTOM (solid shape): 162.2,161.9 162.16,161.72 162.06,161.56 162.04,161.54 161.94,161.38 161.9,161.2 161.9,160.1 161.86,159.92 161.76,159.76 161.54,159.54 161.44,159.38 161.4,159.2 161.4,156.65 161.39,156.61 161.35,156.6 159.95,156.6 159.91,156.61 159.9,156.65 159.9,159.15 159.91,159.19 159.95,159.2 160.1,159.2 160.28,159.24 160.44,159.34 160.96,159.86 161.06,160.02 161.1,160.2 161.1,161.45 161.11,161.49 161.15,161.5 161.3,161.5 161.48,161.54 161.64,161.64 161.66,161.66 161.76,161.82 161.8,162 161.8,163 162.2,163
N3495226 on BOTTOM (solid shape): 163.8,162.4 163.86,162.34 164.02,162.24 164.2,162.2 164.63,162.2 164.81,162.16 164.97,162.06 165.46,161.57 165.49,161.53 165.5,161.48 165.5,160.55 165.49,160.51 165.45,160.5 164.85,160.5 164.81,160.51 164.8,160.55 164.8,161.58 164.77,161.72 164.69,161.84 164.64,161.89 164.52,161.97 164.38,162 164,162 163.82,162.04 163.66,162.14 163.42,162.38 163.42,163 163.8,163
N3499168 on BOTTOM (solid shape): 165.7,150.8 165.64,150.66 165.5,150.6 165.3,150.6 165.12,150.56 164.96,150.46 163.44,148.94 163.28,148.84 163.1,148.8 160.5,148.8 160.36,148.86 160.3,149 160.3,149.8 160.36,149.94 160.5,150 163.5,150 163.68,150.04 163.84,150.14 164.59,150.89 164.75,150.99 164.93,151.03 165.7,151.03

## Text on the board
Ref Des/Silkscreen Bottom: CEPRI | BOTTOM SIDE
User.Comments: POF-DPU-POE-A1 SEP2225 | POF-DPU-POE-COMPATIBLE SEP2225 | NO BUGS PERMANENTLY | 10/100BASET POE CONFIG | GOD BLESS | PCB SIZE:90MMX30MM | 69 | 1 | M1.6X3 | 2 | 70 | C13 | 24 | P1V0 | P1V8 | P2V8 | P3V3 | GND | INIT | INFIRAY L640X512
Ref Des/Silkscreen Top: FEB2826 | REVA1 | DPU EXTEND | CMD RX | DATA TX | TMR INTEGRATED | FEB2826 REVA1 | GENERIC PROGRAMMING ADAPTER FOR LATTICE HW-USBN-2B | PSU 1WATT | VIN | GND | DIFFERENTIAL | SIGNAL | INPUT | CEPRI
XSECTION_CHART: *  SURFACE | L1 TOP CONDUCTOR | *  DIELECTRIC | L2 GND CONDUCTOR | L3 VCC CONDUCTOR | L4 BOTTOM CONDUCTOR | DESIGN CROSS SECTION CHART | ___________________________ | TOTAL THICKNESS 1.5642 MM | 1-4
PLACE_BOUND_TOP: FIGURE | FINISHED_SIZE | 0.2 | 0.3 | 0.7 | 0.8 | 0.9 | 1.0 | 1.2 | 1.8 | 2.2 | 5.2 | 3.5x1.5 | DRILL CHART: TOP to BOTTOM | ALL UNITS ARE IN MILLIMETERS | PLATED | NON-PLATED | QTY | 1026 | 15 | 16 | 2 | 64 | 8 | 6 | 1 | 44 | 35 | 4 | 224
